# KiCad board chastityRightV2.kicad_pcb (continued)
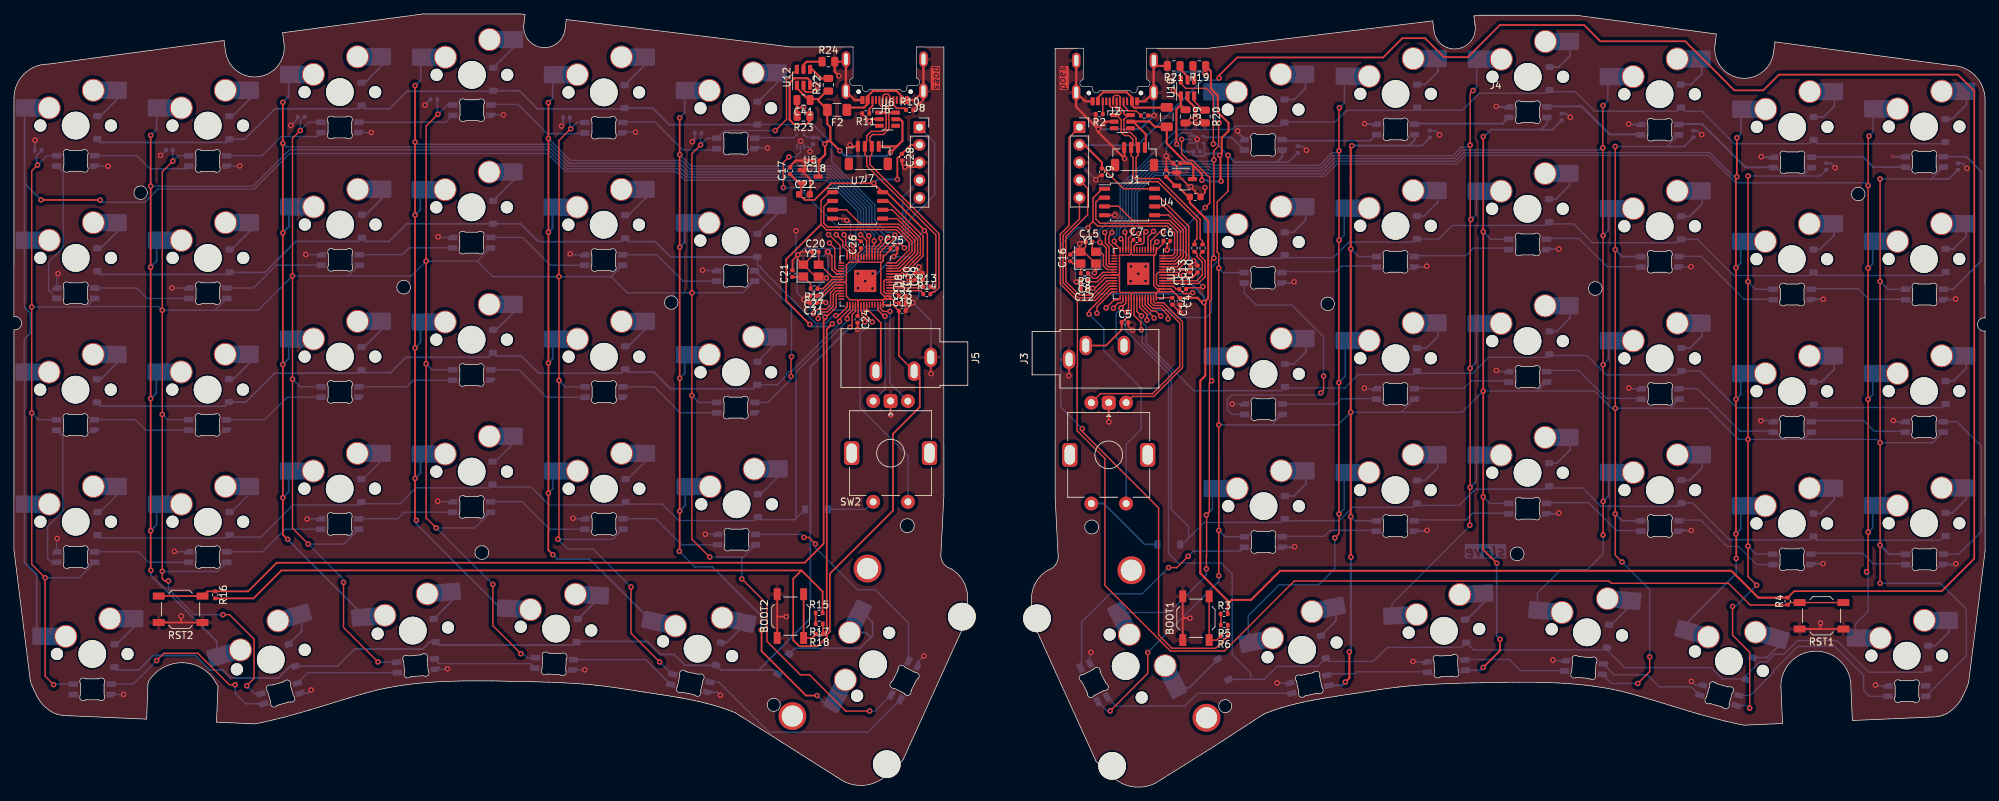
[diagram p0: board, top side]
## Nets
+1V1: C11.1 C12.1 C13.1 C30.1 C31.1 C32.1 U3.23 U3.45 U3.50 U8.23 U8.45 U8.50
+3V3: C2.1 C3.1 C4.1 C5.1 C6.1 C7.1 C8.1 C9.1 C10.1 C14.1 C17.1 C19.1 C22.1 C23.1 C24.1 C25.1 C26.1 C27.1 C28.1 C29.1 J3.T J4.2 J5.T J8.2 R3.2 R4.2 R15.2 R16.2 U1.2 U3.1 U3.10 U3.22 U3.33 U3.42 U3.43 U3.44 U3.48 U3.49 U4.8 U5.2 U7.8 U8.1 U8.10 U8.22 U8.33 U8.42 U8.43 U8.44 U8.48 U8.49
+5V: C1.1 C18.1 C33.2 C39.1 C40.2 C41.1 F1.2 F2.2 J1.1 J7.1 R19.1 R22.1 U1.3 U2.5 U5.3 U6.5 U9.5 U10.1 U11.5 U12.1
GND: BOOT1.1 BOOT2.1 C1.2 C2.2 C3.2 C4.2 C5.2 C6.2 C7.2 C8.2 C9.2 C10.2 C11.2 C12.2 C13.2 C14.2 C15.1 C16.2 C17.2 C18.2 C19.2 C20.1 C21.2 C22.2 C23.2 C24.2 C25.2 C26.2 C27.2 C28.2 C29.2 C30.2 C31.2 C32.2 C33.1 C34.1 C35.1 C36.1 C37.1 C38.1 C39.2 C40.1 C41.2 C42.1 C43.1 C44.1 C45.1 C46.1 C47.1 C48.1 J1.4 J2.A1 J2.A12 J2.B1 J2.B12 J2.S1 J3.S J4.3 J5.S J6.A1 J6.A12 J6.B1 J6.B12 J6.S1 J7.4 J8.3 LED1.4 LED2.4 LED3.4 LED4.4 LED5.4 LED6.4 LED7.4 LED8.4 LED9.4 LED10.4 LED11.4 LED12.4 LED13.4 LED14.4 LED15.4 LED16.4 LED17.4 LED18.4 LED19.4 LED20.4 LED21.4 LED22.4 LED23.4 LED24.4 LED25.4 LED26.4 LED27.4 LED28.4 LED29.4 LED30.4 LED31.4 LED32.4 LED33.4 LED34.4 LED35.4 LED36.4 LED37.4 LED38.4 LED39.4 LED40.4 LED41.4 LED42.4 LED43.4 LED44.4 LED45.4 LED46.4 LED47.4 LED48.4 LED49.4 LED50.4 LED51.4 LED52.4 LED53.4 LED54.4 LED55.4 LED56.4 LED57.4 LED58.4 LED59.4 LED60.4 R1.2 R2.2 R10.2 R11.2 R20.2 R21.2 R23.2 R24.2 RST1.1 RST2.1 SW1.C SW2.C U1.1 U2.2 U3.19 U3.57 U4.4 U5.1 U6.2 U7.4 U8.19 U8.57 U9.1 U9.3 U10.2 U11.1 U11.3 U12.2 Y1.2 Y1.4 Y2.2 Y2.4
VBUS: F1.1 F2.1 J2.A4 J2.A9 J2.B4 J2.B9 J6.A4 J6.A9 J6.B4 J6.B9
col 0: SW1.S2 U3.27
col 0_L: SW2.S2 U8.34
col 1: MX1.1 MX7.1 MX13.1 MX19.1 MX25.1 U3.9
col 1_L: MX31.1 MX37.1 MX43.1 MX49.1 MX55.1 U8.3
col 2: MX2.1 MX8.1 MX14.1 MX20.1 MX26.1 U3.11
col 2_L: MX32.1 MX38.1 MX44.1 MX50.1 MX56.1 U8.4
col 3: MX3.1 MX9.1 MX15.1 MX21.1 MX27.1 U3.12
col 3_L: MX33.1 MX39.1 MX45.1 MX51.1 MX57.1 U8.5
col 4: MX4.1 MX10.1 MX16.1 MX22.1 MX28.1 U3.13
col 4_L: MX34.1 MX40.1 MX46.1 MX52.1 MX58.1 U8.6
col 5: MX5.1 MX11.1 MX17.1 MX23.1 MX29.1 U3.14
col 5_L: MX35.1 MX41.1 MX47.1 MX53.1 MX59.1 U8.7
col 6: MX6.1 MX12.1 MX18.1 MX24.1 MX30.1 U3.15
col 6_L: MX36.1 MX42.1 MX48.1 MX54.1 MX60.1 U8.11
CURR_LIM: R21.1 U10.5
CURR_LIM_L: R24.1 U12.5
D+: J1.3 J2.A6 J2.B6 J6.A6 J6.B6 J7.3 R7.2 R13.2 U2.1 U6.1
D-: J1.2 J2.A7 J2.B7 J6.A7 J6.B7 J7.2 R8.2 R14.2 U2.6 U6.6
LED_Data_3V3: U3.3 U9.2
LED_Data_3V3_L: U8.12 U11.2
LED_Data_5V: LED31.3 U9.4
LED_Data_5V_L: LED1.3 U11.4
LED_Pow_5V: C34.2 C35.2 C36.2 C37.2 C38.2 C47.2 LED31.1 LED32.1 LED33.1 LED34.1 LED35.1 LED36.1 LED37.1 LED38.1 LED39.1 LED40.1 LED41.1 LED42.1 LED43.1 LED44.1 LED45.1 LED46.1 LED47.1 LED48.1 LED49.1 LED50.1 LED51.1 LED52.1 LED53.1 LED54.1 LED55.1 LED56.1 LED57.1 LED58.1 LED59.1 LED60.1 U10.6
LED_Pow_5V_L: C42.2 C43.2 C44.2 C45.2 C46.2 C48.2 LED1.1 LED2.1 LED3.1 LED4.1 LED5.1 LED6.1 LED7.1 LED8.1 LED9.1 LED10.1 LED11.1 LED12.1 LED13.1 LED14.1 LED15.1 LED16.1 LED17.1 LED18.1 LED19.1 LED20.1 LED21.1 LED22.1 LED23.1 LED24.1 LED25.1 LED26.1 LED27.1 LED28.1 LED29.1 LED30.1 U12.6
Q_CLK: U3.52 U4.6
Q_CLK_L: U7.6 U8.52
Q_IO0: U3.53 U4.5
Q_IO0_L: U7.5 U8.53
Q_IO1: U3.55 U4.2
Q_IO1_L: U7.2 U8.55
Q_IO2: U3.54 U4.3
Q_IO2_L: U7.3 U8.54
Q_IO3: U3.51 U4.7
Q_IO3_L: U7.7 U8.51
Q_SEL: R5.1 R6.1 U3.56 U4.1
Q_SEL_L: R17.1 R18.1 U7.1 U8.56
R: J3.R U3.31
R_L: J5.R U8.36
RESET: J4.1 R4.1 RST1.2 U3.26
RESET_L: J8.1 R16.1 RST2.2 U8.26
rot A: SW1.A U3.41
rot A_L: SW2.A U8.41
rot B: SW1.B U3.40
rot B_L: SW2.B U8.40
row 0: D1.1 D2.1 D3.1 D4.1 D5.1 D6.1 U3.18
row 0_L: D33.1 D34.1 D35.1 D36.1 D37.1 D38.1 U8.2
row 1: D7.1 D8.1 D9.1 D10.1 D11.1 D12.1 U3.36
row 1_L: D39.1 D40.1 D41.1 D42.1 D43.1 D44.1 U8.29
row 2: D13.1 D14.1 D15.1 D16.1 D17.1 D18.1 U3.35
row 2_L: D45.1 D46.1 D47.1 D48.1 D49.1 D50.1 U8.30
row 3: D19.1 D20.1 D21.1 D22.1 D23.1 D24.1 D31.1 U3.34
row 3_L: D51.1 D52.1 D53.1 D54.1 D55.1 D56.1 D57.1 U8.31
row 4: D25.1 D26.1 D27.1 D28.1 D29.1 D30.1 U3.32
row 4_L: D58.1 D59.1 D60.1 D61.1 D62.1 D63.1 U8.32
SK6803_EN: R20.1 U10.3
SK6803_EN_L: R23.1 U12.3
SK6803_NFAULT: R19.2 U10.4
SK6803_NFAULT_L: R22.2 U12.4
SWC: J4.4 U3.24
SWC_L: J8.4 U8.24
SWD: J4.5 U3.25
SWD_L: J8.5 U8.25
XIN: C15.2 U3.20 Y1.3
XIN_L: C20.2 U8.20 Y2.3
XOUT: R9.1 U3.21
XOUT_L: R12.1 U8.21
Net-(BOOT1-Pad2): BOOT1.2 R6.2
Net-(BOOT2-Pad2): BOOT2.2 R18.2
Net-(C16-Pad1): C16.1 R9.2 Y1.1
Net-(C21-Pad1): C21.1 R12.2 Y2.1
Net-(D1-A): D1.2 MX1.2
Net-(D2-A): D2.2 MX2.2
Net-(D3-A): D3.2 MX3.2
Net-(D4-A): D4.2 MX4.2
Net-(D5-A): D5.2 MX5.2
Net-(D6-A): D6.2 MX6.2
Net-(D7-A): D7.2 MX7.2
Net-(D8-A): D8.2 MX8.2
Net-(D9-A): D9.2 MX9.2
Net-(D10-A): D10.2 MX10.2
Net-(D11-A): D11.2 MX11.2
Net-(D12-A): D12.2 MX12.2
Net-(D13-A): D13.2 MX13.2
Net-(D14-A): D14.2 MX14.2
Net-(D15-A): D15.2 MX15.2
Net-(D16-A): D16.2 MX16.2
Net-(D17-A): D17.2 MX17.2
Net-(D18-A): D18.2 MX18.2
Net-(D19-A): D19.2 MX19.2
Net-(D20-A): D20.2 MX20.2
Net-(D21-A): D21.2 MX21.2
Net-(D22-A): D22.2 MX22.2
Net-(D23-A): D23.2 MX23.2
Net-(D24-A): D24.2 MX24.2
Net-(D25-A): D25.2 MX25.2
Net-(D26-A): D26.2 MX26.2
Net-(D27-A): D27.2 MX27.2
Net-(D28-A): D28.2 MX28.2
Net-(D29-A): D29.2 MX29.2
Net-(D30-A): D30.2 MX30.2
Net-(D31-A): D31.2 SW1.S1
Net-(D33-A): D33.2 MX31.2
Net-(D34-A): D34.2 MX32.2
Net-(D35-A): D35.2 MX33.2
Net-(D36-A): D36.2 MX34.2
Net-(D37-A): D37.2 MX35.2
Net-(D38-A): D38.2 MX36.2
Net-(D39-A): D39.2 MX37.2
Net-(D40-A): D40.2 MX38.2
Net-(D41-A): D41.2 MX39.2
Net-(D42-A): D42.2 MX40.2
Net-(D43-A): D43.2 MX41.2
Net-(D44-A): D44.2 MX42.2
Net-(D45-A): D45.2 MX43.2
Net-(D46-A): D46.2 MX44.2
Net-(D47-A): D47.2 MX45.2
Net-(D48-A): D48.2 MX46.2
Net-(D49-A): D49.2 MX47.2
Net-(D50-A): D50.2 MX48.2
Net-(D51-A): D51.2 SW2.S1
Net-(D52-A): D52.2 MX49.2
Net-(D53-A): D53.2 MX50.2
Net-(D54-A): D54.2 MX51.2
Net-(D55-A): D55.2 MX52.2
Net-(D56-A): D56.2 MX53.2
Net-(D57-A): D57.2 MX54.2
Net-(D58-A): D58.2 MX55.2
Net-(D59-A): D59.2 MX56.2
Net-(D60-A): D60.2 MX57.2
Net-(D61-A): D61.2 MX58.2
Net-(D62-A): D62.2 MX59.2
Net-(D63-A): D63.2 MX60.2
Net-(J2-CC1): J2.A5 R1.1
Net-(J2-CC2): J2.B5 R2.1
Net-(J6-CC1): J6.A5 R10.1
Net-(J6-CC2): J6.B5 R11.1
Net-(LED1-DOUT): LED1.2 LED2.3
Net-(LED2-DOUT): LED2.2 LED3.3
Net-(LED3-DOUT): LED3.2 LED4.3
Net-(LED4-DOUT): LED4.2 LED5.3
Net-(LED5-DOUT): LED5.2 LED6.3
Net-(LED7-DIN): LED7.3 LED8.2
Net-(LED8-DIN): LED8.3 LED9.2
Net-(LED10-DIN): LED10.3 LED11.2
Net-(LED10-DOUT): LED9.3 LED10.2
Net-(LED11-DIN): LED11.3 LED12.2
Net-(LED12-DIN): LED6.2 LED12.3
Net-(LED13-DIN): LED7.2 LED13.3
Net-(LED13-DOUT): LED13.2 LED14.3
Net-(LED14-DOUT): LED14.2 LED15.3
Net-(LED15-DOUT): LED15.2 LED16.3
Net-(LED16-DOUT): LED16.2 LED17.3
Net-(LED17-DOUT): LED17.2 LED18.3
Net-(LED18-DOUT): LED18.2 LED24.3
Net-(LED19-DIN): LED19.3 LED20.2
Net-(LED19-DOUT): LED19.2 LED25.3
Net-(LED20-DIN): LED20.3 LED21.2
Net-(LED21-DIN): LED21.3 LED22.2
Net-(LED22-DIN): LED22.3 LED23.2
Net-(LED23-DIN): LED23.3 LED24.2
Net-(LED25-DOUT): LED25.2 LED26.3
Net-(LED26-DOUT): LED26.2 LED27.3
Net-(LED27-DOUT): LED27.2 LED28.3
Net-(LED28-DOUT): LED28.2 LED29.3
Net-(LED29-DOUT): LED29.2 LED30.3
Net-(LED31-DOUT): LED31.2 LED32.3
Net-(LED32-DOUT): LED32.2 LED33.3
Net-(LED33-DOUT): LED33.2 LED34.3
Net-(LED34-DOUT): LED34.2 LED35.3
Net-(LED35-DOUT): LED35.2 LED36.3
Net-(LED36-DOUT): LED36.2 LED42.3
Net-(LED37-DIN): LED37.3 LED38.2
Net-(LED37-DOUT): LED37.2 LED43.3
Net-(LED38-DIN): LED38.3 LED39.2
Net-(LED39-DIN): LED39.3 LED40.2
Net-(LED40-DIN): LED40.3 LED41.2
Net-(LED41-DIN): LED41.3 LED42.2
Net-(LED43-DOUT): LED43.2 LED44.3
Net-(LED44-DOUT): LED44.2 LED45.3
Net-(LED45-DOUT): LED45.2 LED46.3
Net-(LED46-DOUT): LED46.2 LED47.3
Net-(LED47-DOUT): LED47.2 LED48.3
Net-(LED48-DOUT): LED48.2 LED54.3
Net-(LED49-DIN): LED49.3 LED50.2
Net-(LED49-DOUT): LED49.2 LED55.3
Net-(LED50-DIN): LED50.3 LED51.2
Net-(LED51-DIN): LED51.3 LED52.2
Net-(LED52-DIN): LED52.3 LED53.2
Net-(LED53-DIN): LED53.3 LED54.2
Net-(LED55-DOUT): LED55.2 LED56.3
Net-(LED56-DOUT): LED56.2 LED57.3
Net-(LED57-DOUT): LED57.2 LED58.3
Net-(LED58-DOUT): LED58.2 LED59.3
Net-(LED59-DOUT): LED59.2 LED60.3
Net-(R3-Pad1): R3.1 R5.2
Net-(R15-Pad1): R15.1 R17.2
Net-(U3-USB_DM): R8.1 U3.46
Net-(U3-USB_DP): R7.1 U3.47
Net-(U8-USB_DM): R14.1 U8.46
Net-(U8-USB_DP): R13.1 U8.47

Pads without a net: J1 MP; J2 A8 B8; J6 A8 B8; J7 MP; LED30 2; LED60 2; SW1 MP; SW2 MP; U2 3 4; U3 2 4 5 6 7 8 16 17 28 29 30 37 38 39; U6 3 4; U8 8 9 13 14 15 16 17 18 27 28 35 37 38 39

## Via types
v1: diameter 0.8, hole 0.4, Top to Bottom, 353 vias
v2: diameter 0.5, hole 0.3, Top to Bottom, 1 via

## Routing (per net, layer and track width the routed paths; a pad name or vN(x,y) marks a point on that pad's centre or on a via; arc(x,y) is an arc through that point)
+1V1: length 62
  Top w0.2: U3.23 157.03,73.25 155.54,71.76 v1(155.25,71.76) 154.59,71.76 C12.1 ; U8.23 118.03,72.21 115.54,69.71 C31.1 116.76,69.66 v1(116.81,69.71) ; C13.1 168.84,74.04 168.52,74.36 167.98,74.36 167.68,74.05 U3.50 164.7,74.05 164.42,73.77 164.42,72.33 164.7,72.05 U3.45 166.84,72.05 167.27,71.62 C11.1 168.32,71 169.48,71 v1(169.62,71.13) ; v1(128.68,73.29) 128.98,72.99 C30.1 129.39,72.68 127.91,72.68 127.58,73.01 U8.50 125.4,73.01 125.2,72.8 125.2,71.21 125.4,71.01 U8.45 127.02,71.01 C32.1
  Bottom w0.2: v1(155.25,71.76) 156.04,70.97 169.46,70.97 v1(169.62,71.13) ; v1(116.81,69.71) 117.92,68.61 124.18,68.61 128.68,73.11 v1(128.68,73.29)
+3V3: length 739
  Top w0.2: C6.1 165.42,78.24 164.47,77.29 U3.1 164.39,76.76 164.19,76.55 ; v1(168.28,73.61) 168.25,73.64 165.23,73.64 U3.49 ; 164.19,76.55 164.02,76.38 164.02,72.16 164.53,71.65 U3.44 ; 164.19,76.55 161,76.55 160.79,76.76 ; C7.1 160.79,78.43 U3.10 160.79,76.76 ; 158.89,73.65 159.09,73.45 159.09,71.28 159.22,71.15 160.59,71.15 160.79,70.95 ; 158.89,73.65 159.09,73.86 159.09,76.55 160.59,76.55 160.79,76.76 ; 158.89,73.65 U3.22 156.86,73.65 155.9,72.69 154.62,72.69 C8.1 ; 160.79,70.95 U3.33 160.79,67.97 160.29,67.47 160.01,67.47 C5.1 ; 160.79,70.95 161,71.15 164.19,71.15 164.32,71.02 ; C24.1 121.5,67.86 U8.33 121.5,69.9 ; 166.87,71.25 165.23,71.25 U3.43 164.55,71.25 ; 166.87,71.25 166.47,71.65 U3.44 ; 166.87,71.25 167.75,70.38 C4.1 ; U3.48 166.68,73.25 167.07,73.64 ; 119.59,72.61 U8.22 117.86,72.61 115.93,70.67 C27.1 ; 119.59,72.61 119.8,72.4 119.8,70.58 120.27,70.11 121.29,70.11 121.5,69.9 ; 119.59,72.61 119.8,72.81 119.8,75.09 120.21,75.51 121.29,75.51 121.5,75.71 ; 126.94,69.6 C23.1 ; 126.94,69.6 126.33,70.21 U8.43 125.19,70.21 125.19,70.21 ; 126.94,69.6 U8.44 125.59,70.61 125.19,70.21 ; U3.44 164.95,71.65 164.55,71.25 ; 124.99,70.01 124.89,70.11 121.7,70.11 121.5,69.9 ; 124.99,70.01 125.19,70.21 ; 124.99,70.01 125.1,69.9 U8.42 126.49,69.37 C19.1 127.35,62.02 J5.T ; 125.8,72.61 U8.49 127.42,72.61 ; 127.42,72.61 127.74,72.28 130.06,72.28 C29.1 130.77,72.99 131.45,73.66 131.45,79.62 v1(131.02,80.05) ; 127.42,72.61 127.19,72.61 126.79,72.21 U8.48 ; 164.14,86.07 159.68,86.07 156.77,88.98 C9.1 ; 121.5,75.71 121.7,75.51 124.74,75.51 ; 121.5,75.71 U8.10 121.5,76.78 121.88,77.17 C26.1 ; 164.55,71.25 164.32,71.02 ; 164.32,71.02 164.39,70.95 U3.42 166.65,70.41 C14.1 ; 124.74,75.51 124.89,75.51 125.1,75.71 U8.1 126.14,77.29 C25.1 126.75,78.11 127.59,78.11 v1(128.13,77.57) ; 124.74,75.51 124.74,71.11 125.24,70.61 125.8,70.61
  Top w0.25: R4.2 256.18,28.2 277.42,28.2 282.09,32.87 282.09,100.14 279.74,102.49 253.98,102.49 251.72,100.22 247.56,100.22 240.5,107.28 228.28,107.28 225.95,109.61 213.82,109.61 209.2,104.99 205.8,104.99 203.06,107.73 199.8,107.73 197.02,104.95 176.01,104.95 173.44,102.38 v1(173.44,101.99) ; 113.34,31.17 112.15,29.97 112.15,21.13 113,20.28 115.66,20.28 117.01,21.64 117.01,21.97 117.42,22.37 117.42,30.71 126.49,39.78 126.49,50.82 130.35,54.68 130.35,59.01 J5.T ; 113.34,31.17 116.37,28.14 R15.2 ; 113.34,31.17 38.49,31.17 34.47,27.15 R16.2 ; C5.1 159.4,65.77 157.15,63.52 J3.T ; v1(127.13,87.41) 127.13,90.45 127.79,91.11 C28.1 129.06,92.37 J8.2 ; U5.2 113.3,86.72 113.3,85.6 C22.1 113.8,84.46 115.21,84.46 117.61,86.86 v1(123.73,86.86) U7.8 125.56,85.59 131.02,80.13 v1(131.02,80.05)
  Top w0.3: U5.2 112.99,86.86 C17.1 ; v1(171.26,69.7) 171.86,70.3 171.86,81.42 169.21,84.06 C3.1 169,84.9 167.39,86.51 U1.2 167.1,86.51 C2.1 ; v1(171.26,69.7) 171.44,69.53 171.44,59.18 170.71,58.45 170.71,30.77 174.67,26.81 174.67,26.36 175.24,26.93 178.02,26.93 182.2,31.12 247.15,31.12 251.01,27.26 R4.2 ; v1(171.26,69.7) 170.99,69.7 170.32,70.38 C4.1 ; C10.1 169.6,73.32 168.57,73.32 v1(168.28,73.61) ; C9.1 156.56,89.87 153.98,92.45 153.38,92.45 J4.2 ; 174.67,26.59 R3.2
  Bottom w0.2: v1(131.02,80.05) 128.54,77.57 v1(128.13,77.57)
  Bottom w0.25: v1(127.13,87.41) 124.27,87.41 v1(123.73,86.86) ; v1(173.44,101.99) 173.13,101.68 171.03,101.68 161.7,92.35 153.38,92.35 J4.2
  Bottom w0.3: v1(171.26,69.7) 171.26,70.55 168.28,73.53 v1(168.28,73.61)
+5V: length 115.6
  Top w0.25: 115.81,90.15 115.81,87.9 U5.3
  Top w0.3: 127.3,92.42 127.86,92.98 127.86,95.72 127.51,96.08 U6.5 ; 127.3,92.42 127.05,92.17 J7.1 ; 127.3,92.42 126.2,91.32 v1(126.14,91.32) ; 115.79,98.95 116.95,100.12 R22.1 ; 115.79,98.95 114.7,98.95 C41.1 114.38,98.83 112.67,100.54 U12.1 ; 115.79,98.95 115.79,98.69 F2.2 117.03,97.39 117.03,95.4 117.48,94.95 117.48,92.91 ; 167.93,99.43 167.93,98.08 C39.1 ; 167.93,99.43 167.93,98.13 167.28,97.48 167.28,92.51 v1(167.32,92.48) ; 167.93,99.43 167.65,99.43 v1(166.83,100.25) ; 169.4,89.73 169.72,89.4 ; 169.4,89.73 C1.1 ; 169.4,89.73 168.75,89.73 165.89,92.58 F1.2 164.17,94.99 163.41,95.75 160.71,95.75 U2.5 161.06,95.72 162.89,93.9 162.89,92.14 J1.1 ; 169.72,89.4 170.95,88.17 v1(170.95,87.3) ; 169.72,89.4 169.72,87.59 U1.3 ; v1(171.38,102.7) 171.49,102.81 R19.1 172.24,102.99 172.24,100.47 173.24,99.48 173.24,97.09 174.79,95.54 174.79,94.39 173.81,93.41 173.81,91.18 v1(173.51,90.88) 173.62,90.76 173.62,87.24 v1(173.72,87.14) ; 117.48,92.91 117.07,92.91 v1(116.68,92.51) 116.73,92.46 116.73,90.98 C18.1 ; 117.48,92.91 v1(118.84,91.55)
  Bottom w0.2: U11.5 114.12,93.46 C40.2
  Bottom w0.25: U9.5 171.31,92.51 171.31,90.83 171.26,90.78 169.86,90.78 169.73,90.9 C33.2 ; v1(173.51,90.88) 173.25,91.14 171.62,91.14 171.28,90.8
  Bottom w0.3: v1(170.95,87.3) 171.71,87.3 171.87,87.14 v1(173.72,87.14) ; v1(166.83,100.25) 166.86,100.28 166.86,102.38 167.37,102.89 171.2,102.89 v1(171.38,102.7) ; C33.2 168.38,91.41 v1(167.32,92.48) ; v1(118.84,91.55) 119.64,90.76 125.57,90.76 v1(126.14,91.32) ; C40.2 115.73,93.46 v1(116.68,92.51)
GND: length 484.4
  Top w0.2: C4.2 167.77,69.4 v1(167.77,68.34) C14.2 ; U8.19 118.36,73.81 117.72,74.45 117.72,76.44 v1(117.14,77.02) ; C23.2 129.26,69.6 v1(129.36,69.7) ; C23.2 128.3,69.61 128.3,70.69 129.29,69.7 v1(129.36,69.7) ; C23.2 128.31,69.59 C19.2 128.31,68.54 129.36,69.59 v1(129.36,69.7) ; v1(120.38,79.1) 120.74,78.74 121.64,78.74 C26.2 ; 113.6,75.15 114.85,76.4 C20.1 113.24,77 v1(112.82,76.59) ; 113.6,75.15 113.62,75.15 115.32,73.45 Y2.2 116.71,73.45 v1(116.93,73.23) ; 113.6,75.15 112.82,75.93 v1(112.82,76.59) ; C21.2 112.04,75.8 v1(112.82,76.59) ; v1(120.29,92.39) 120.51,92.17 J7.4 ; C10.2 170.32,75.14 v1(169.76,75.71) 169.28,75.23 C13.2 ; J3.S 151.84,59.23 v1(151.79,59.19) ; 162.04,78.72 161.86,78.9 v1(161.86,79.61) ; v1(155.68,87.38) 156.32,88.02 C9.2 ; U1.1 167.32,89.26 C1.2 166.8,89.73 165.83,90.7 v1(165.83,90.77) 165.82,90.77 C2.2 166.16,88.41 U1.1 ; U1.1 167.32,88.23 169.16,86.38 v1(169.36,86.38) ; C11.2 168.87,71.83 170.95,71.83 v1(171.11,71.99) ; Y1.4 153.96,77.01 155.66,75.31 Y1.2 155.69,74.17 v1(155.48,73.97) ; Y1.4 153.35,77.14 v1(153.35,78.15) 153.64,78.43 C15.1 154.22,77.74 Y1.4 ; Y1.4 152.4,77.01 C16.2 ; 127.1,77.5 127.1,76.79 v1(126.62,76.31) ; SW2.C 126.15,53.58 v1(126.19,53.54) ; v1(158.42,82.29) 158.4,82.26 U4.4 ; v1(119.87,81.5) 119.6,81.78 U7.4 ; v1(121.4,65.86) 121.4,65.86 C24.2 ; U3.19 157.46,74.85 157.18,75.13 157.18,77.56 156.38,78.36 v1(156.27,78.36) ; v1(131.98,59.48) 131.94,59.52 J5.S ; C5.2 160.36,66.35 v1(160.97,65.73) ; v1(130.23,74.83) 130.23,74.48 C30.2 129.71,73.95 C29.2 130.23,74.49 v1(130.23,74.83) ; v1(152.89,72.67) 153.53,72.04 C12.2 153.53,72.78 C8.2 153.02,72.8 v1(152.89,72.67) ; 169.29,96.24 C39.2 168.61,95.55 R20.2 170.71,96.24 v1(170.01,96.24) 169.29,96.24
  Top w0.25: v1(115.64,100.82) 115.64,100.69 114.92,99.97 113.95,99.97 113.62,100.3 U12.2 ; v1(165.95,77.26) 165.95,78.14 C6.2 ; RST2.1 24.08,23.68 ; 24.08,23.68 v1(24.08,24.61) ; 24.08,23.68 RST2.1 ; U5.1 113.45,88.59 114.61,87.42 114.61,85.36 114.53,85.28 ; v1(157.57,52.52) 157.54,52.55 SW1.C 157.13,55.3 ; U6.2 123.37,96.08 v1(123.11,95.81) 122.07,96.86 R11.2 ; v1(169.36,86.38) 169.36,86.3 C3.2 171.39,85.52 v1(171.39,86.25) ; 168.19,24.32 168.21,24.3 v1(169.23,24.3) 169.21,24.32 168.19,24.32 ; 168.19,24.32 BOOT1.1 ; 168.19,24.32 BOOT1.1 ; 109.84,24.53 109.84,24.53 v1(111.15,24.53) ; 109.84,24.53 BOOT2.1 ; 109.84,24.53 BOOT2.1 ; C28.2 127.79,89.59 v1(128.21,89.17) 129.66,89.17 J8.3 ; J1.4 159.83,91.94 v1(159.83,90.41) ; v1(259.97,23.6) 259.97,22.77 259.94,22.75 256.97,22.75 263.27,22.75 ; 164.01,104.5 J2.S1 ; C27.2 114.2,70.67 v1(113.67,70.15) 114.16,69.66 C31.2 ; R10.2 130.87,98.88 130.87,100.11
  Top w0.3: v1(156.06,94.63) 155.67,95.02 R2.2 ; v1(156.06,94.63) 152.86,97.84 J2.S1 ; v1(156.06,94.63) 157.15,95.72 U2.2 ; v1(156.06,94.63) 156.04,94.61 156.04,94.2 v1(159.83,90.41) 159.89,90.35 ; 112.68,97.78 113.63,97.78 v1(113.64,97.79) ; 112.68,97.78 112.68,96.57 R23.2 ; 112.68,97.78 C41.2 ; J2.S1 164.02,99.91 ; J2.S1 162.73,98.64 161.63,98.64 ; J2.S1 164.01,104.5 ; v1(164.07,96.6) 163.19,96.6 R1.2 ; J2.S1 152.88,99.94 J2.S1 ; J2.S1 154.14,98.64 J2.A12 ; v1(113.83,90.12) 113.86,90.15 C18.2 ; v1(113.83,90.12) 112.49,90.12 111.68,89.32 C17.2 ; v1(113.83,90.12) 113.83,89.14 U5.1 ; U10.2 168.88,98.84 170.01,97.72 v1(170.01,96.24) ; J6.A1 129.59,98.83 130.87,100.11 130.87,104.69 J6.S1 ; J6.A12 121,98.83 J6.S1 119.72,104.69 J6.S1 119.38,104.35 R24.2 118.11,102.91 v1(118.7,102.32) ; 164.04,104.05 164.34,103.74 R21.2
  Bottom w0.2: v1(61,41.11) 61.05,41.06 LED21.4 ; v1(51.45,94.16) 51.42,94.14 LED4.4 ; v1(156.27,78.36) 156.24,78.38 153.59,78.38 v1(153.35,78.15) 152.76,77.56 152.76,72.81 v1(152.89,72.67) 153.47,72.67 154.76,73.97 v1(155.48,73.97) 156.43,74.91 156.43,78.2 v1(156.27,78.36) ; v1(156.27,78.36) 156.27,78.36 156.27,80.13 v1(158.42,82.29) ; v1(42,76.61) 42.02,76.59 LED10.4 ; U9.1 169.94,92.68 170.27,93.01 v1(170.27,93.19) 169.38,94.09 167.94,94.09 165.83,91.98 v1(165.83,90.77) ; LED59.4 241.92,14.69 v1(241.38,15.22) ; v1(22.75,71.81) 22.77,71.79 LED11.4 ; J5.S 131.94,67.12 v1(129.36,69.7) 130.23,70.57 v1(130.23,74.83) 128.74,76.31 v1(126.62,76.31) 124.19,73.88 v1(123.58,73.88) 123.55,73.84 123.54,73.84 ; C33.1 170.27,91.83 170.27,93.46 170.06,93.68 U9.3 ; v1(194.33,57.39) 194.41,57.31 LED44.4 ; v1(117.14,77.02) 116.53,76.4 113,76.4 v1(112.82,76.59) ; v1(117.14,77.02) 117.61,77.49 117.61,77.49 ; v1(117.14,77.02) 117.13,77.01 117.13,73.43 v1(116.93,73.23) 113.85,70.15 v1(113.67,70.15) 112.68,71.14 112.68,76.45 v1(112.82,76.59) ; v1(15.77,13.34) 15.76,13.33 LED30.4 ; v1(112.82,76.59) 113.72,77.49 119.08,77.49 120.38,78.79 v1(120.38,79.1) 120.38,80.99 v1(119.87,81.5) ; v1(112.82,76.59) 112.54,76.86 v1(112.54,80.03) ; LED22.4 42.24,38.61 v1(42.2,38.56) ; v1(80.05,76.71) 80.19,76.57 LED8.4 ; LED55.4 154.83,19.23 v1(154.97,19.38) ; v1(13.55,89.31) 13.53,89.33 LED6.4 ; v1(221.45,18.29) 221.55,18.2 LED58.4 ; LED40.4 241.27,74.81 v1(241.32,74.87) ; LED7.4 99.17,74.29 v1(99.1,74.36) ; v1(181.78,14.98) 181.8,14.97 LED56.4 ; 114.54,91.88 114.99,92.33 C40.1 ; 114.54,91.88 v1(114.54,91.44) ; 114.54,91.88 114.37,92.06 113.69,92.06 U11.1 113.68,92.44 v1(113.19,92.93) 112.68,92.42 U11.3 ; LED46.4 232.49,57.31 v1(232.38,57.43) ; v1(101.67,13.22) 101.24,13.65 LED26.4 ; v1(80.45,38.66) 80.51,38.6 LED20.4 ; v1(82.15,16.88) 82.11,16.84 LED27.4 ; v1(270.44,52.73) 270.6,52.56 LED48.4 ; v1(32.5,89.36) 32.45,89.32 LED5.4 ; J4.3 153.33,89.74 v1(155.68,87.38) ; v1(89.45,94.21) 89.43,94.19 87.58,94.19 ; v1(267.86,14.68) 267.98,14.56 LED60.4 ; v1(61.05,79.16) 61.14,79.07 LED9.4 ; v1(251.38,52.71) 253.01,52.71 LED47.4 ; LED43.4 175.32,55.11 v1(175.3,55.12) ; LED25.4 130.07,17.99 v1(130.95,18.86) ; 106.65,91.92 108.43,91.92 v1(108.44,91.91) ; v1(42.79,13.99) 42.3,13.5 LED29.4 ; LED24.4 6.17,35.69 v1(6.25,35.76) ; v1(169.76,75.71) 170.14,75.71 170.39,75.46 170.39,72.71 v1(171.11,71.99) ; LED28.4 62.31,16.95 v1(62.4,17.03) ; LED23.4 23.16,33.84 v1(23.1,33.91) ; v1(70.46,96.71) 70.45,96.7 68.59,96.7 ; LED45.4 213.5,59.76 v1(213.33,59.94) ; LED12.4 6.17,73.69 v1(6.35,73.86) ; v1(201.34,18.09) 201.41,18.02 LED57.4 ; LED19.4 99.5,36.36 v1(99.5,36.36)
  Bottom w0.25: C46.1 3.02,93.04 v1(3.03,93.06) ; v1(184.22,72.7) 184.03,72.51 LED37.4 ; v1(39.85,95.19) 40.87,96.21 C44.1 ; C34.1 185.42,92.18 v1(186,91.6) ; C35.1 223.41,96.88 v1(223.95,96.34) ; v1(242.87,93.86) 242.31,94.42 C36.1 ; C37.1 261.42,89.76 v1(262.08,89.09) ; C48.1 97.98,93.18 v1(97.63,92.83) ; v1(165.95,77.26) 168.2,77.26 v1(169.76,75.71) ; LED41.4 258.66,70.17 v1(260.37,70.17) ; v1(222.32,77.4) 220.64,77.4 LED39.4 ; v1(205.15,93.83) 204.56,94.42 C47.1 ; v1(59.14,98.11) C43.1 ; v1(279.42,70.22) 279.31,70.11 LED42.4 ; v1(281.07,89.01) 280.34,89.74 C38.1 ; C45.1 21.88,91.64 v1(21.09,90.86) ; LED38.4 203.16,74.81 v1(203.29,74.95) ; v1(78.81,95.09) 79.03,95.32 C42.1
  Bottom w0.3: LED49.4 184.21,34.51 v1(184.29,34.6) ; 272.15,90.68 LED36.4 270.37,90.68 v2(270.37,90.69) ; v1(176.08,94.4) 176.08,94.21 177.1,93.2 ; LED53.4 258.7,32.15 v1(260.34,32.15) ; 239.58,36.91 241.35,36.91 v1(241.37,36.92) ; v1(232.37,95.39) 232.45,95.31 LED34.4 ; J2.S1 152.86,97.84 v1(156.06,94.63) 162.1,94.63 v1(164.07,96.6) 164.01,96.66 J2.S1 164.01,104.5 J2.S1 ; 152.89,99.47 152.88,99.48 J2.S1 ; v1(279.44,32.15) 279.31,32.01 LED54.4 ; 130.88,105.27 130.88,99.57 130.86,99.55 ; v1(251.44,90.69) 251.52,90.61 LED35.4 ; 119.71,99.55 119.73,99.57 119.73,105.11 ; v1(222.32,39.42) 222.21,39.31 LED51.4 ; v1(194.35,95.44) 194.42,95.37 LED32.4 ; LED33.4 213.38,97.83 v1(213.3,97.92) ; LED50.4 203.21,36.81 v1(203.34,36.95) ; 164.04,104.98 164.04,104.05 164.02,104.03
  vias: v1(121.43,73.87) v1(121.46,71.77) v1(122.5,72.78) v1(123.55,71.73) v1(160.74,74.89) v1(160.71,72.77) v1(161.79,73.85) v1(162.85,74.89) v1(162.85,72.8)
VBUS: length 22.9
  Top w0.3: F2.1 120.19,97.75 122.33,97.75 122.85,98.27 J6.A9 122.85,99.38 123.6,100.13 127.01,100.13 127.75,99.4 J6.A4 ; J2.A9 155.98,99.2 156.73,99.94 160.15,99.94 160.88,99.22 J2.A4 160.88,98.08 161.22,97.74 165.85,97.74 F1.1
col 0: length 36.7
  Top w0.2: U3.27 157.82,71.65 156.38,70.21 156.38,70.2 154.71,68.53 v1(154.71,68.05)
  Bottom w0.2: v1(154.71,68.05) 156.82,65.94 156.82,62.77 162.2,57.4 162.2,51.45 160.04,49.29 SW1.S2
col 0_L: length 31.7
  Top w0.2: U8.34 121.9,68.51 122.02,68.39 122.02,67.86 122.43,67.45 v1(122.43,66.93)
  Bottom w0.2: v1(122.43,66.93) 122.43,65.9 121.74,65.21 121.74,54.58 128.65,47.68 SW2.S2
col 1: length 208.9
  Top w0.2: v1(266.94,93.65) 266.82,93.53 v1(266.82,86.54) v1(266.82,74.64) 266.82,74.64 v1(266.82,55.79) 266.83,55.78 v1(266.83,36.67) 266.82,36.66 266.82,31.2 v1(266.59,30.97) ; U3.9 161.19,77.82 161.45,78.08 162.33,78.08 162.62,78.37 162.62,79.62 v1(162.89,79.89)
  Bottom w0.2: v1(266.82,55.79) 267.5,56.48 267.5,59.51 ; v1(266.83,36.67) 267.5,37.34 MX19.1 ; MX1.1 267.51,94.22 v1(266.94,93.65) ; v1(266.59,30.97) 266.82,30.74 266.82,25.29 265.01,23.48 MX25.1 ; v1(266.82,86.54) 266.43,86.93 247.79,86.93 243.86,90.86 208.81,90.86 207.58,89.63 190.33,89.63 188.54,87.84 171.84,87.84 171.68,88 164.14,88 161.65,85.51 161.65,81.08 161.65,81.08 162.84,79.89 v1(162.89,79.89) ; 267.49,78.51 267.49,75.32 v1(266.82,74.64)
col 1_L: length 152
  Top w0.2: U8.3 124.3,77.3 125.82,78.82 v1(125.82,79.11)
  Top w0.25: v1(95.8,96.27) v1(95.8,90.98) v1(95.8,77.66) v1(95.8,58.8) v1(95.8,39.7) 95.8,33.97 v1(95.75,33.93) ; v1(107.54,22.6) 107.59,22.55 107.59,19.57 113.98,13.18 v1(115.58,13.18)
  Bottom w0.2: v1(95.8,90.98) 97.47,89.31 117.79,89.31 123.46,83.63 123.46,81.23 125.57,79.11 v1(125.82,79.11)
  Bottom w0.25: MX49.1 96.63,40.53 v1(95.8,39.7) ; v1(115.58,13.18) 116.49,12.27 MX55.1 ; MX43.1 96.53,59.52 v1(95.8,58.8) ; v1(107.54,22.6) 107.51,22.63 107.51,24.69 100.52,31.68 100.52,31.69 97.99,31.69 v1(95.75,33.93) ; v1(95.8,77.66) 96.5,78.36 MX37.1 ; MX31.1 96.52,96.99 v1(95.8,96.27)
col 2: length 190
  Top w0.2: v1(160.87,80) 160.87,79.45 160.39,78.97 U3.11
  Top w0.25: v1(247.84,32.9) 247.84,36.38 v1(247.79,36.43) 247.8,36.43 247.8,55.78 v1(247.8,55.78) 247.8,74.71 v1(247.8,74.71) 247.79,74.72 247.79,87.68 v1(247.93,87.82) 247.93,87.82 v1(247.93,93.4)
  Bottom w0.2: v1(247.93,87.82) 247.47,87.82 244.02,91.26 208.64,91.26 207.41,90.03 190.16,90.03 188.38,88.24 172.01,88.24 171.85,88.4 163.98,88.4 161.25,85.67 161.25,81.24 160.87,80.86 v1(160.87,80)
  Bottom w0.25: v1(247.93,93.4) 248.52,93.99 248.52,97.51 ; v1(247.8,55.78) 248.48,56.46 MX14.1 ; v1(247.84,32.9) 247.84,30.75 244.52,27.42 244.52,27.41 240.41,23.31 MX26.1 ; MX8.1 248.47,75.39 v1(247.8,74.71) ; MX20.1 248.47,37.11 v1(247.79,36.43)
col 2_L: length 157.2
  Top w0.2: v1(124.74,78.96) 124.74,78.31 123.9,77.47 U8.4
  Top w0.25: v1(77.56,33.44) 76.9,34.1 76.9,36.7 76.91,36.71 v1(76.91,42.29) v1(76.91,61) v1(76.91,79.82) v1(76.91,93.3) v1(76.91,98.46)
  Bottom w0.2: v1(76.91,93.3) 80.07,90.14 96.07,90.14 97.3,88.91 117.62,88.91 123.06,83.47 123.06,80.8 124.74,79.12 v1(124.74,78.96)
  Bottom w0.25: MX50.1 77.55,42.93 v1(76.91,42.29) ; MX32.1 77.53,99.08 v1(76.91,98.46) ; MX44.1 77.55,61.63 v1(76.91,61) ; 77.51,83.44 77.51,80.41 v1(76.91,79.82) ; v1(77.56,33.44) 78.21,32.79 82.85,32.79 MX56.1
col 3: length 175.3
  Top w0.2: v1(228.67,98.05) 228.64,98.03 v1(228.64,91.96) 228.64,79.39 v1(228.68,79.35) ; U3.12 159.99,79.7 v1(159.88,79.81) ; v1(228.68,36.27) v1(228.68,41.1) 228.68,41.1 v1(228.68,60.77) 228.68,79.29 228.66,79.31
  Bottom w0.2: v1(228.68,41.1) 229.48,41.9 MX21.1 ; v1(228.68,60.77) 229.46,61.56 MX15.1 ; MX9.1 229.46,80.14 v1(228.68,79.35) ; v1(228.68,36.27) 228.68,33.57 226.37,31.26 222.57,31.26 219.23,27.93 MX27.1 ; v1(159.88,79.81) 159.88,80.43 160.85,81.41 160.85,85.86 163.82,88.82 163.84,88.8 172.02,88.8 172.17,88.64 188.21,88.64 190,90.43 207.24,90.43 208.48,91.66 228.34,91.66 v1(228.64,91.96) ; 229.34,102.09 MX3.1 229.36,102.11 229.36,98.74 v1(228.67,98.05)
col 3_L: length 173.8
  Top w0.2: v1(123.8,78.56) 123.8,77.93 123.5,77.63 U8.5
  Top w0.25: v1(57.92,38.38) 57.73,38.57 v1(57.73,44.4) v1(57.73,63.17) v1(57.73,82.29) v1(57.73,92.78) v1(57.73,100.91)
  Bottom w0.2: v1(123.8,78.56) 123.8,79.5 122.66,80.64 122.66,83.3 117.45,88.51 97.04,88.51 95.81,89.74 79.91,89.74 77.18,92.47 59.98,92.47 59.96,92.48 58.03,92.48 v1(57.73,92.78)
  Bottom w0.25: MX33.1 58.55,101.73 v1(57.73,100.91) ; v1(57.73,63.17) 58.5,63.95 58.5,66.91 ; v1(57.73,82.29) 58.5,83.06 MX39.1 ; v1(57.92,38.38) 57.92,37.86 70.05,25.73 MX57.1 ; v1(57.73,44.4) 58.51,45.19 MX51.1
col 4: length 162.8
  Top w0.2: 209.55,60.24 209.55,81.53 v1(209.67,81.65) 209.55,81.76 v1(209.55,92.36) 209.55,99.79 v1(209.97,100.2) ; v1(209.55,60.24) v1(209.55,43.12) 209.49,43.07 209.49,37.69 v1(209.51,37.67) ; U3.13 159.59,78.57 v1(159.29,78.87)
  Bottom w0.2: v1(209.55,43.12) 210.44,44.02 MX22.1 ; v1(209.67,81.65) 210.43,82.42 210.43,85.73 ; v1(159.29,78.87) 159.1,79.06 159.1,80.28 160.4,81.58 160.4,85.97 163.65,89.22 172.16,89.22 172.34,89.04 188.04,89.04 189.83,90.83 207.08,90.83 208.31,92.06 209.25,92.06 v1(209.55,92.36) ; MX16.1 210.44,61.14 v1(209.55,60.24) ; v1(209.51,37.67) 209.51,37.58 198.3,26.37 MX28.1 ; MX4.1 210.48,100.72 v1(209.97,100.2)
col 4_L: length 190.1
  Top w0.2: U8.6 123.1,79.21 v1(123.01,79.3)
  Top w0.25: v1(39.39,35.63) 38.7,36.32 v1(38.7,41.63) v1(38.7,60.8) v1(38.7,79.72) v1(38.7,92.61) v1(38.7,98.5)
  Bottom w0.2: v1(123.01,79.3) 122.26,80.05 122.26,83.14 117.29,88.11 96.87,88.11 95.64,89.34 79.74,89.34 77.01,92.07 59.81,92.07 59.8,92.08 39.22,92.08 v1(38.7,92.61)
  Bottom w0.25: v1(38.7,79.72) 39.6,80.62 MX40.1 ; v1(38.7,60.8) 39.56,61.66 MX46.1 ; MX52.1 39.52,42.45 v1(38.7,41.63) ; v1(39.39,35.63) 49.85,25.18 MX58.1 ; v1(38.7,98.5) 39.55,99.35 MX34.1
col 5: length 151.2
  Top w0.2: v1(190.66,58.18) 190.66,39.32 v1(190.68,39.3) 190.69,39.29 190.69,36.47 v1(190.08,35.86) ; v1(190.66,58.18) 190.66,78.65 v1(190.68,78.67) v1(190.68,91.53) 190.68,97.66 v1(190.74,97.72) ; v1(190.66,58.18) 190.64,58.16 ; U3.14 159.19,77.41 158.35,78.26 v1(158.35,78.51)
  Bottom w0.2: MX17.1 191.56,64.13 191.56,59.09 v1(190.66,58.18) ; MX23.1 191.43,40.05 v1(190.68,39.3) ; v1(190.68,91.53) 190.38,91.23 189.67,91.23 187.88,89.44 172.5,89.44 172.33,89.62 163.48,89.62 160,86.14 160,81.75 158.7,80.45 158.7,79.45 158.35,79.1 v1(158.35,78.51) ; MX29.1 177.64,24.7 182.04,29.1 187.74,29.1 190.08,31.44 v1(190.08,35.86) ; v1(190.68,78.67) 191.44,79.44 191.44,83.16 ; MX5.1 191.46,98.45 v1(190.74,97.72)
